# Altium PCB MdBBCar_Foc_v1.0.PcbDoc (part 2 of 2) (continued)
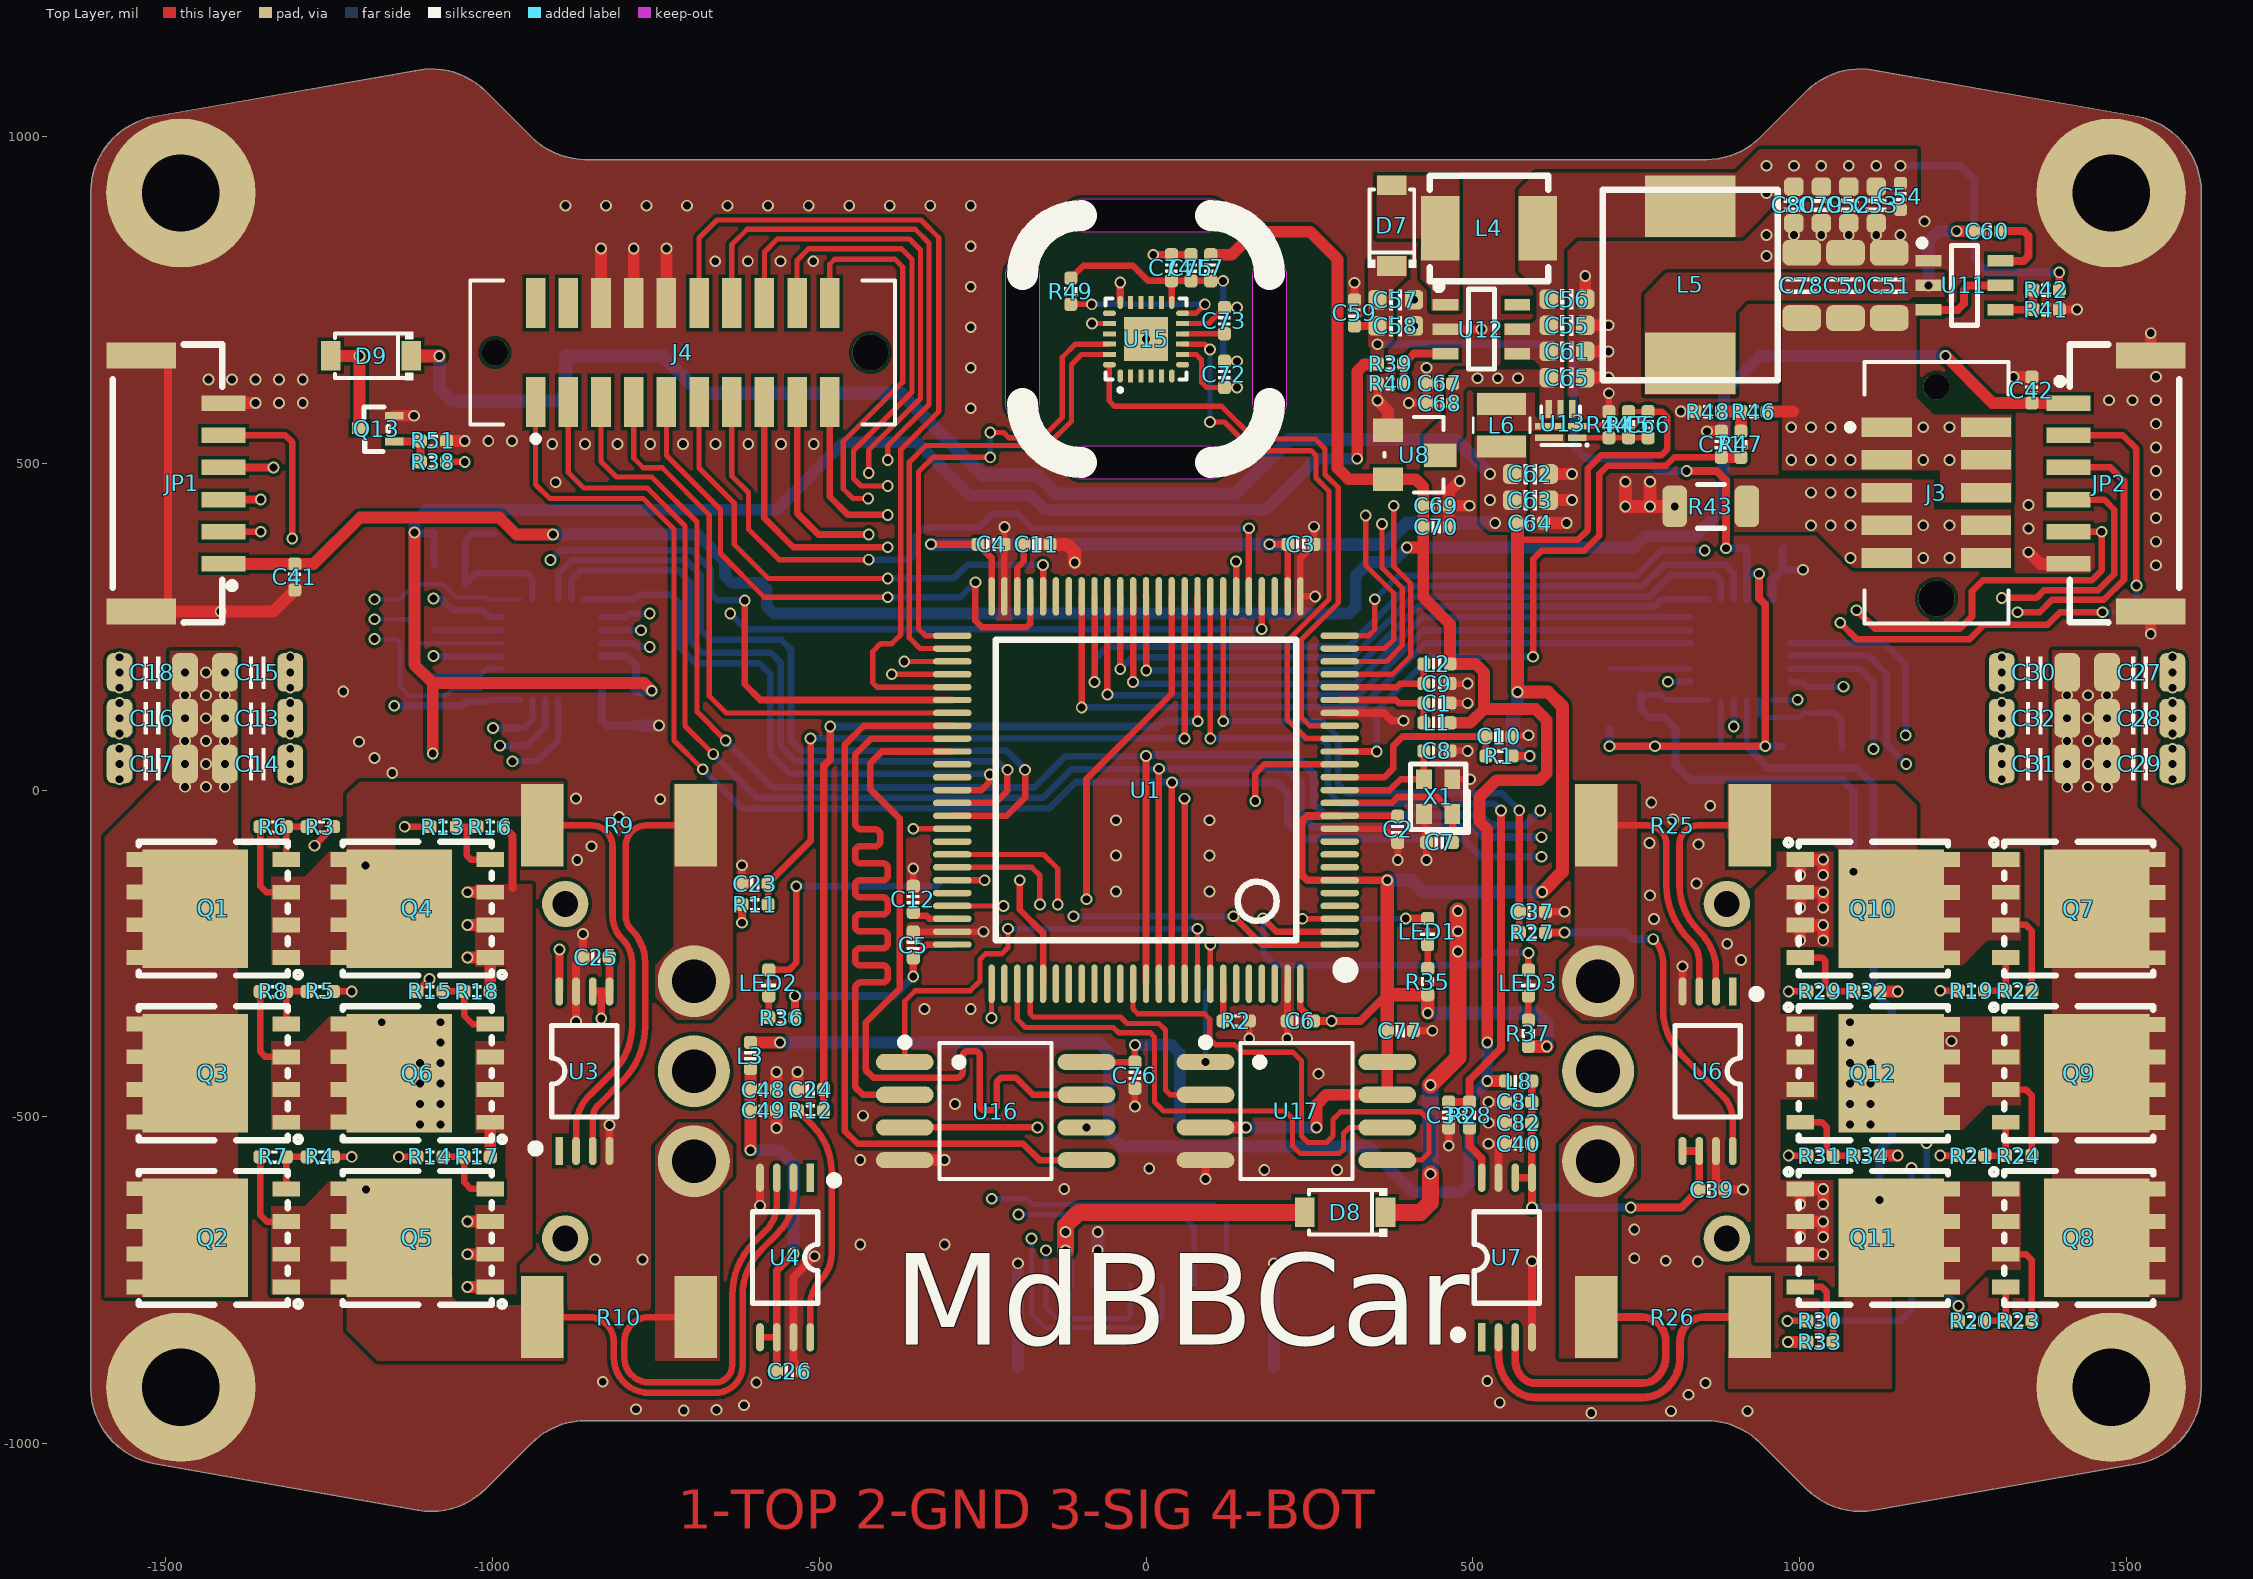
[diagram p0: Top Layer view]
## Nets (pads, with @x,y where several pads share a name; then routed paths per layer and width w, separated by ;. In a path a pad name is that pad's centre, name@x,y a point inside that pad or via, vN(x,y) a via of type N, cw(c..) or ccw(c..) an arc to the next point about the centre after c; other vN are vias at no path point) (continued)
  Bottom Layer w18: v1(-605,-551) -560,-551 -539.04,-571.96 v1(-539.04,-708.96)
OPR_VCC: C39.2 C40.2 C81.2 C82.2 L8.2 U6.5 U6.6 U7.5 U7.6 | length 570.6
  Top Layer w12: U7.6@564.8,-592.95 U7.5@590,-592.95 ; L8.2@590,-445 C81.2@590,-477 C82.2@590,-509 C40.2@590,-541 U7.5@590,-592.95 ; v1(590.39,-638.39) U7.5@590.39,-592.95 U7.5@590,-592.95 ; v1(741.39,-638.39) 818.61,-638.39 C39.2@846,-611 846.2,-610.8 U6.6@846.2,-552.05 U6.5@820.61,-552.05
  Bottom Layer w12: v1(590.39,-638.39) v1(741.39,-638.39)
PA11: LED2.1 U1.70 | length 505.1
  Top Layer w10: LED2.1@-577,-275 -546,-275 -535,-264 v1(-535,-147) ; U1.70@-296.26,-137.79 v1(-246.79,-137.79)
  Bottom Layer w10: v1(-535,-147) -320,-147 -310.79,-137.79 v1(-246.79,-137.79)
PB7: U1.93 U17.1 | length 242.5
  Top Layer w8: U1.93@98.43,-296.25 v1(98.43,-236.43)
  Bottom Layer w8: v1(91.02,-416) 91.02,-309.98 98.43,-302.57 v1(98.43,-236.43)
PD5: U1.86
PE3: LED3.1 U1.2 | length 626.2
  Top Layer w10: v1(179,-196) 199.53,-216.53 U1.2@296.26,-216.53 ; LED3.1@584.89,-275 v1(584.89,-249.11)
  Bottom Layer w10: v1(179,-196) 179,-249 198,-268 508,-268 526.89,-249.11 v1(584.89,-249.11)
PE4: LED1.1 U1.3 | length 249
  Top Layer w8: v1(239.16,-196.84) U1.3@296.26,-196.84
  Top Layer w12: v1(397.39,-196.39) LED1.1@430.89,-196.39
  Bottom Layer w8: v1(239.16,-196.84) 239.38,-196.62 397.16,-196.62 v1(397.39,-196.39)
PGND: C13.1 C14.1 C15.1 C16.1 C17.1 C18.1 C27.1 C28.1 C29.1 C30.1 C31.1 C32.1 J3.3 J3.4 J3.5 J3.6 J3.7 Q4.1 Q4.2 Q4.3 Q5.1 Q5.2 Q5.3 Q6.1 Q6.2 Q6.3 Q10.1 Q10.2 Q10.3 Q11.1 Q11.2 Q11.3 Q12.1 Q12.2 Q12.3 R16.1 R17.1 R18.1 R32.1 R33.1 R34.1 R43.2 R50.2 | length 942.3
  Top Layer w12: R16.1@-983,-56 -969,-70 -969,-150
  Top Layer w18: v1(-1037.8,-760) Q5.1@-1003,-760 ; v1(-1037.8,-710) Q5.2@-1003,-710 ; v1(-1037.8,-660) Q5.3@-1003,-660 ; v1(-1037.8,-256.2) Q4.1@-1003,-256.2 R18.1@-1003,-308 ; v1(-1037.8,-206.2) Q4.2@-1003,-206.2 ; v1(-1037.8,-156.2) Q4.3@-1003,-156.2 ; R17.1@-1003,-561 Q6.1@-1003,-508.1 ; v1(982,-844) R33.1@1011,-844 ; Q11.3@1000.8,-710 v1(1035.8,-710) ; v1(1000.8,-683.6) Q11.2@1000.8,-660 v1(1035.8,-660) v1(1035.8,-683.6) ; v1(1000.8,-633.6) Q11.1@1000.8,-610 v1(1035.8,-610) v1(1035.8,-633.6) ; v1(1000.8,-229.8) Q10.3@1000.8,-206.2 v1(1035.8,-206.2) v1(1035.8,-229.8) ; v1(1000.8,-179.8) Q10.2@1000.8,-156.2 v1(1035.8,-156.2) v1(1035.8,-179.8) ; v1(1000.8,-129.8) Q10.1@1000.8,-106.2 v1(1035.8,-106.2) v1(1035.8,-129.8) ; R34.1@1123,-559 v1(1150,-559) ; R32.1@1123,-308 v1(1150,-308)
  other v1: -1570,16.66 -1309,16.67 1309,16.66 1570,16.67 -1570,40 -1309,40 1308.99,40 1570,40 -1570,63.33 -1309,63.33 1309,63.33 1570,63.34 -1570,86.66 -1309,86.67 1309,86.66 1570,86.67 -1570,110 -1309,110 1308.99,110 1570.01,110 -1570,133.33 -1309,133.33 1309,133.33 1570,133.34 -1570,156.66 -1309,156.67 1309,156.66 1570,156.67 -1570,180 -1309,180 1309,180 1570.01,180 -1570,203.33 -1309,203.34 1309,203.33 1570,203.34 1077.43,355 1189,355 1229,355 1017.14,405 1047.28,405 1077.43,405 1189,405 1229,405 1017.14,455 1047.28,455 1077.43,455
PVCC: C13.2 C14.2 C15.2 C16.2 C17.2 C18.2 C27.2 C28.2 C29.2 C30.2 C31.2 C32.2 C50.2 C51.2 C78.2 J3.1 J3.2 J3.8 J3.9 J3.10 Q1.5 Q1.6 Q1.7 Q1.8 Q1.9 Q2.5 Q2.6 Q2.7 Q2.8 Q2.9 Q3.5 Q3.6 Q3.7 Q3.8 Q3.9 Q7.5 Q7.6 Q7.7 Q7.8 Q7.9 Q8.5 Q8.6 Q8.7 Q8.8 Q8.9 Q9.5 Q9.6 Q9.7 Q9.8 Q9.9 R46.2 U11.3 U11.5 | length 177.8
  Top Layer w12: U11.3@1197,734.6 1241.6,734.6 1251,744 1251,764.97 1258.03,772 U11.5@1307,772
  Top Layer w18: R46.2@950,579 990,579
  other v1: -1470,5 -1438,5 -1409,5 1409,5 1441,5 1470,5 -1470,40 -1438,40 -1409,40 1409,40 1441,40 1470,40 -1470,75 -1438,75 -1409,75 1409,75 1441,75 1470,75 -1470,110 -1438,110 -1409,110 1409,110 1441,110 1470,110 -1470,145 -1438,145 -1409,145 1409,145 1441,145 1470,145 -1470,180 -1438,180 -1409,180 987,505 1017.14,505 1047.28,505 1077.43,505 1189,505 1229,505 987,555 1017.14,555 1047.28,555 1077.43,555 1189,555 1229,555
QSPI_BK1_CLK: U1.36 U16.6 | length 866.3
  Top Layer w10: v1(-91,-167) -91,17 39.37,147.37 U1.36@39.37,296.27
  SIG w10: v1(-91.02,-516) v1@-91.02,-167.02
QSPI_BK1_IO0: U1.58 U16.5 | length 1155.5
  Top Layer w10: U1.58@-296.26,98.43 -431.57,98.43 -461,69 -461,-521 -441,-541 -188,-541 -163,-566 U16.5@-91.02,-566
QSPI_BK1_IO1: U1.59 U16.2 | length 1155.5
  Top Layer w10: U16.2@-368.98,-466 -433,-466 -445,-454 -445,-335 -445,-304 cw(c-435,-304) -435,-294 -402.8,-294 ccw(c-402.8,-286.2) -395,-286.2 -395,-275.8 ccw(c-402.8,-275.8) -402.8,-268 -437.2,-268 cw(c-437.2,-260.2) -445,-260.2 -445,-249.8 cw(c-437.2,-249.8) -437.2,-242 -402.8,-242 ccw(c-402.8,-234.2) -395,-234.2 -395,-223.8 ccw(c-402.8,-223.8) -402.8,-216 -437.2,-216 cw(c-437.2,-208.2) -445,-208.2 -445,-197.8 cw(c-437.2,-197.8) -437.2,-190 -402.8,-190 ccw(c-402.8,-182.2) -395,-182.2 -395,-171.8 ccw(c-402.8,-171.8) -402.8,-164 -437.2,-164 cw(c-437.2,-156.2) -445,-156.2 -445,-145.8 cw(c-437.2,-145.8) -437.2,-138 -402.8,-138 ccw(c-402.8,-130.2) -395,-130.2 -395,-119.8 ccw(c-402.8,-119.8) -402.8,-112 -437.2,-112 cw(c-437.2,-104.2) -445,-104.2 -445,-93.8 cw(c-437.2,-93.8) -437.2,-86 -414.6,-86 ccw(c-414.6,-78.2) -406.8,-78.2 -406.8,-67.8 ccw(c-414.6,-67.8) -414.6,-60 -435,-60 cw(c-435,-50) -445,-50 -445,-29 -445,54 -420.25,78.75 U1.59@-296.26,78.75
QSPI_BK1_IO2: U1.1 U16.3 | length 1110.1
  Top Layer w10: U16.3@-368.98,-516 v1(-166,-516) ; v1(134,-193) 177.21,-236.21 U1.1@296.26,-236.21
  SIG w10: v1(-166,-516) -142,-492 -142,-478.78 -142,-473.78 ccw(c-152,-473.78) -152,-463.78 -157.44,-463.78 cw(c-157.44,-455.98) -165.24,-455.98 -165.24,-445.58 cw(c-157.44,-445.58) -157.44,-437.78 -113.82,-437.78 ccw(c-113.82,-429.98) -106.02,-429.98 -106.02,-419.58 ccw(c-113.82,-419.58) -113.82,-411.78 -157.44,-411.78 cw(c-157.44,-403.98) -165.24,-403.98 -165.24,-393.58 cw(c-157.44,-393.58) -157.44,-385.78 -152,-385.78 ccw(c-152,-375.78) -142,-375.78 -142,-348 -111,-317 v1(-111,-193)
  Bottom Layer w10: v1(-111,-193) v1(134,-193)
QSPI_BK1_IO3: U1.60 U16.7 | length 1155.5
  Top Layer w10: U1.60@-296.26,59.06 -403.94,59.06 -422,41 -422,1.6 -377,-43.4 -377,-304 -429,-356 -429,-428 -417,-440 -308,-440 -290.27,-440 ccw(c-290.27,-430) -280.27,-430 -280.27,-407.1 cw(c-272.47,-407.1) -272.47,-399.3 -262.07,-399.3 cw(c-262.07,-407.1) -254.27,-407.1 -254.27,-482.2 ccw(c-246.47,-482.2) -246.47,-490 -236.07,-490 ccw(c-236.07,-482.2) -228.27,-482.2 -228.27,-450 cw(c-218.27,-450) -218.27,-440 -213.27,-440 -199,-440 -173,-466 U16.7@-91.02,-466
QSPI_BK1_NCS: U1.92 U16.1 | length 707.8
  Top Layer w8: U16.1@-368.98,-416 -368.98,-322.98 -353,-307 -269,-307 -254,-292 -254,-259 -245.26,-250.26 -220.26,-250.26 -211,-241 v1(-211,-212) ; U1.92@78.74,-296.25 v1(78.74,-212)
  Bottom Layer w8: v1(-211,-212) v1(78.74,-212) v1@78.37,-211.63
SF_CLK: U1.78 U17.6 | length 818.1
  Top Layer w8: U1.78@-196.85,-296.25 -196.85,-350.25 -184.1,-363 -50,-363 -42,-371 6,-371 13,-378 13,-477 27,-491 212.35,-491 224,-502.65 224,-544 236,-556 295.71,-556 302,-549.71 302,-525.3 311.3,-516 U17.6@368.98,-516
SF_MISO: U1.79 U17.2 | length 419.2
  Top Layer w8: U1.79@-177.17,-296.25 -177.17,-342.31 -172.48,-347 -39,-347 -29,-357 19.6,-357 29.73,-367.13 29.73,-458.84 36.89,-466 U17.2@91.02,-466
SF_MOSI: U1.87 U17.5 | length 818.8
  Top Layer w8: U1.87@-19.69,-296.25 -19.69,-335.03 -12.72,-342 89,-342 97.5,-350.5 97.5,-380.5 106.5,-389.5 135.5,-389.5 147,-401 225,-401 238,-414 238,-529.01 247.99,-539 275.92,-539 286,-528.92 286,-504 298,-492 419.97,-492 433,-505.03 433,-554.76 421.76,-566 U17.5@368.98,-566
SPI6_CLK: J4.8 U1.80 | length 1342.1
  Top Layer w10: J4.8@-583.66,593.5 -583.66,415.66 -539.5,371.5 v1(-395,371.5) ; v1(-193,-138) -193,-183 -157.48,-218.52 U1.80@-157.48,-296.25
  SIG w10: v1(-395,371.5) -360.5,371.5 -353,379 -353,394.41 -347.14,400.27 -305.77,400.27 -299,393.5 -299,86 -273,60 -173,60 -156,43 -156,-9 -193,-46 v1(-193,-138)
SPI6_MISO: J4.7 U1.30 | length 1148.8
  Top Layer w8: J4.7@-633.66,593.5 -633.66,480.66 -608,455 -608,399 -561.5,352.5 v1(-424,352.5)
  Top Layer w10: U1.30@157.48,296.27 v1(157.48,400.52)
  Bottom Layer w10: v1@-424.31,352.5 v1(-424,352.5) -361.5,352.5 -352,362 -352,389 -340,401 -256,401 -234,423 -197,423 -174.52,400.52 v1(157.48,400.52)
SPI6_MOSI: J4.9 U1.91 | length 1458.8
  Top Layer w10: J4.9@-533.66,593.5 -533.66,423.66 -501,391 v1(-424,391) ; U1.91@59.06,-296.25 v1(59.06,-13.06)
  SIG w10: v1(-424,391) -382,391 -357.73,415.27 -297.27,415.27 -282,400 -282,94 -263,75 -153,75 -140,62 -140,6 -120.94,-13.06 v1(59.06,-13.06)
U1_RX: JP4.4 U1.69 | length 1101.5
  Top Layer w8: U1.69@-296.26,-118.1 -174.9,-118.1 -162.35,-130.65 -162.35,-174.65 v1(-162,-175)
  SIG w8: v1(-175,-686) -175,-633 -202,-606 -202,-322 -162,-282 v1(-162,-175)
  Bottom Layer w8: v1(-175,-686) -175,-801 -154,-822 9,-822 24.6,-806.4 JP4.4@24.6,-757.01
U1_TX: JP4.3 U1.68 | length 1060.9
  Top Layer w8: U1.68@-296.26,-98.42 -156.58,-98.42 -135,-120 v1(-135,-175)
  SIG w8: v1(-153,-704) -153,-616 -187,-582 -187,-327 -135,-275 v1(-135,-175)
  Bottom Layer w8: v1(-153,-704) -153,-791 -135.7,-808.3 -29.3,-808.3 -24.61,-803.62 JP4.3@-24.61,-757.01
U3_RX: J4.5 U1.47 | length 883.8
  Top Layer w8: J4.5@-733.66,593.5 -733.66,511.66 -651,429 -651,362 -584,295 v1(-395,295)
  Top Layer w10: v1(-261,318) -261,259 -251,249 -183.02,249 -177.17,254.86 U1.47@-177.17,296.27
  Bottom Layer w10: v1(-395,295) -284,295 v1(-261,318)
U3_TX: J4.6 U1.46 | length 790.7
  Top Layer w8: J4.6@-683.66,593.5 -683.66,492.66 -630,439 -630,376 -577.75,323.75 v1(-395,323.75)
  Top Layer w10: U1.46@-157.48,296.27 v1(-157.48,344.48)
  Bottom Layer w10: v1(-395,323.75) -294.25,323.75 -273.52,344.48 v1(-157.48,344.48)
pads on no net: J1.4 J1.5 J2.4 J2.5 J3.0 J4.0 J4.19 J4.20 U1.4 U1.5 U1.7 U1.8 U1.9 U1.28 U1.37 U1.44 U1.45 U1.61 U1.62 U1.67 U1.71 U1.77 U1.81 U1.82 U1.83 U1.84 U1.85 U1.95 U1.96 U1.97 U1.98 U2.5 U2.7 U2.8 U2.21 U2.25 U3.1 U4.1 U5.5 U5.7 U5.8 U5.21 U5.25 U6.1 U7.1 U12.6 U13.3 U15.1 U15.2 U15.3 U15.4 U15.5 U15.6 U15.7 U15.14 U15.15 U15.16 U15.17 U15.19 U15.21

## Polygon pours and split planes (outlines as drawn)
GND on Bottom Layer "GND_L04_P079" (solid, remove dead copper, pour order 79): -1113.6,-1101.42 ccw(c-1093.09,-985.11) -1009.57,-1068.62 -940.1,-999.16 cw(c-856.59,-1082.67) -856.59,-964.57 856.59,-964.57 cw(c856.59,-1082.67) 940.1,-999.16 1009.57,-1068.62 ccw(c1093.09,-985.11) 1113.6,-1101.42 1516.57,-1030.37 ccw(c1496.06,-914.05) 1614.17,-914.05 1614.17,914.05 ccw(c1496.06,914.05) 1516.57,1030.37 1113.6,1101.42 ccw(c1093.09,985.11) 1009.57,1068.62 940.1,999.16 cw(c856.59,1082.67) 856.59,964.57 -856.59,964.57 cw(c-856.59,1082.67) -940.1,999.16 -1009.57,1068.62 ccw(c-1093.09,985.11) -1113.6,1101.42 -1516.57,1030.37 ccw(c-1496.06,914.05) -1614.17,914.05 -1614.17,-914.05 ccw(c-1496.06,-914.05) -1516.57,-1030.37
2SH_W on Bottom Layer "2SH_W_L04_P055" (solid, remove dead copper, pour order 55): 1122,-524 1122,-343 868,-343 840,-371 668,-371 632,-407 632,-454 667,-489 841,-489 876,-524
1SH_W on Bottom Layer "1SH_W_L04_P071" (solid, remove dead copper, pour order 71): -1122,-524 -1122,-343 -868,-343 -840,-371 -668,-371 -632,-407 -632,-454 -667,-489 -841,-489 -876,-524
PGND on Bottom Layer "PGND_L04_P062" (solid, remove dead copper, pour order 62): 1333,10 1333,419 1323,429 1217,429 1170,476 1004,476 1004,395 1027,395 1082,340 1236,340 1285,291 1285,18 1293,10
GND on Top Layer "GND_L01_P077" (solid, remove dead copper, pour order 77): -1113.6,-1101.42 ccw(c-1093.09,-985.11) -1009.57,-1068.62 -940.1,-999.16 cw(c-856.59,-1082.67) -856.59,-964.57 856.59,-964.57 cw(c856.59,-1082.67) 940.1,-999.16 1009.57,-1068.62 ccw(c1093.09,-985.11) 1113.6,-1101.42 1516.57,-1030.37 ccw(c1496.06,-914.05) 1614.17,-914.05 1614.17,914.05 ccw(c1496.06,914.05) 1516.57,1030.37 1113.6,1101.42 ccw(c1093.09,985.11) 1009.57,1068.62 940.1,999.16 cw(c856.59,1082.67) 856.59,964.57 -856.59,964.57 cw(c-856.59,1082.67) -940.1,999.16 -1009.57,1068.62 ccw(c-1093.09,985.11) -1113.6,1101.42 -1516.57,1030.37 ccw(c-1496.06,914.05) -1614.17,914.05 -1614.17,-914.05 ccw(c-1496.06,-914.05) -1516.57,-1030.37
PGND on Top Layer "PGND_L01_P060" (solid, remove dead copper, pour order 60): 1323,340 1323,429 1205,429 1205,475 1171,475 1170,476 900,476 900,395 1027,395 1082,340 1174,340
2A_ISENS_N on Top Layer "2A_ISENS_N_L01_P052" (solid, remove dead copper, pour order 52): 751,9 751,-267 751,-317 716,-352 667,-352 632,-317 632,-262 656,-238 656,9
PVCC on Top Layer "PVCC_L01_P076" (solid, remove dead copper, pour order 76): 1516.57,214 1516.57,-26.57 1580,-90 1580,-776 1386,-776 1386,214
PVCC on Top Layer "PVCC_L01_P075" (solid, remove dead copper, pour order 75): -1493,213 -1493,29 -1593,-71 -1593,-776 -1389,-776 -1389,213
1B_ISENS_P on Top Layer "1B_ISENS_P_L01_P074" (solid, remove dead copper, pour order 74): -1061.26,-744 -1061.26,-775.74 -1049,-788 -891,-788 -891,-873 -1176,-873 -1222.63,-826.37 -1222.63,-744
PGND on Top Layer "PGND_L01_P073" (solid, remove dead copper, pour order 73): -1026,-144 -939,-144 -939,-700 -963,-724 -963,-771 -1026,-771 -1026,-635 -979,-635 -979,-524 -1026,-524 -1026,-384 -979,-384 -979,-270 -1026,-270
1A_ISENS_P on Top Layer "1A_ISENS_P_L01_P072" (solid, remove dead copper, pour order 72): -1222.66,-96.19 -1222.66,-6.66 -1203,13 -890.58,13 -890.58,-40 -1138,-40 -1148,-50 -1148,-96.19
1B_ISENS_N on Top Layer "1B_ISENS_N_L01_P070" (solid, remove dead copper, pour order 70): -652,-873 -652,-611 -632,-591 -632,-543 -666,-509 -716,-509 -751,-544 -751,-593 -751,-873
1A_ISENS_N on Top Layer "1A_ISENS_N_L01_P069" (solid, remove dead copper, pour order 69): -632,10 -632,-268 -632,-317 -666,-351 -717,-351 -751,-317 -751,-268 -722,-239 -722,10
1B_ISENS_P on Top Layer "1B_ISENS_P_L01_P065" (solid, remove dead copper, pour order 65): -1338,-636.2 -1338,-771.2 -1219,-771.2 -1219,-598.39 -1249.19,-598.39 -1287,-636.2
1SH_W on Top Layer "1SH_W_L01_P064" (solid, remove dead copper, pour order 64): -1338,-384.3 -1338,-519.3 -1219,-519.3 -1219,-346.49 -1249.19,-346.49 -1287,-384.3
1A_ISENS_P on Top Layer "1A_ISENS_P_L01_P063" (solid, remove dead copper, pour order 63): -1338,-132.4 -1338,-267.4 -1219,-267.4 -1219,-94.59 -1249.19,-94.59 -1287,-132.4
PVCC on Top Layer "PVCC_L01_P058" (solid, remove dead copper, pour order 58): 1324,440 1324,574 1205,574 1178,601 1178,744 973,744 973,489 1215,489 1215,440
2B_ISENS_N on Top Layer "2B_ISENS_N_L01_P053" (solid, pour order 53): 721.4,-869 721.4,-622.6 751,-593 751,-543 716,-508 667,-508 632,-543 632,-598 632,-869
2B_ISENS_P on Top Layer "2B_ISENS_P_L01_P057" (solid, remove dead copper, pour order 57): 1141,-767 1141,-915.85 890.85,-915.85 890.85,-860.09 958.09,-860.09 1067,-860.09 1067,-767
PGND on Top Layer "PGND_L01_P056" (solid, remove dead copper, pour order 56): 1051.5,-240 1051.5,-94 964.5,-94 964.5,-120 931,-153.5 931,-722 1051.5,-722 1051.5,-597 970.5,-597 970.5,-473 1026.5,-473 1026.5,-343 970.5,-343 970.5,-240 1009.5,-240
2A_ISENS_P on Top Layer "2A_ISENS_P_L01_P051" (solid, remove dead copper, pour order 51): 890,9 1147,9 1179,-23 1179,-91 1059,-91 1042,-74 890,-74
2B_ISENS_P on Top Layer "2B_ISENS_P_L01_P050" (solid, remove dead copper, pour order 50): 1338,-733.8 1338,-598.8 1219,-598.8 1219,-771.61 1249.19,-771.61 1287,-733.8
2SH_W on Top Layer "2SH_W_L01_P049" (solid, remove dead copper, pour order 49): 1338,-481.9 1338,-346.9 1219,-346.9 1219,-519.71 1249.19,-519.71 1287,-481.9
2A_ISENS_P on Top Layer "2A_ISENS_P_L01_P048" (solid, remove dead copper, pour order 48): 1338,-230 1338,-95 1219,-95 1219,-267.81 1249.19,-267.81 1287,-230
5V on Top Layer "5V_L01_P041" (solid, remove dead copper, pour order 41): 604,643 473,643 459,629 459,576 425,542 425,494 475,494 475,532 485,542 485,610 492,617 604,617
GND on Top Layer "GND_L01_P036" (solid, remove dead copper, pour order 36): 638.09,543.91 638.09,403.09 630,395 600,395 594,401 594,543.91
DVCC_3V3 on Top Layer "DVCC_3V3_L01_P035" (solid, remove dead copper, pour order 35): 582,542 582,402 575,395 525,395 511,409 511,501 503,509 503,542
NetD7_2 on Top Layer "NETD7_2_L01_P034" (solid, remove dead copper, pour order 34): 479,733 479,829 420,829 420,782 436,766 436,733
12V on Top Layer "12V_L01_P033" (solid, remove dead copper, pour order 33): 399,817 399,786 378,765 378,689 364,675 364,643 363,642 347,642 344,645 344,675 340,679 340,809 348,817
NetD7_2 on Top Layer "NETD7_2_L01_P032" (solid, remove dead copper, pour order 32): 353,940 353,844 479,844 479,940
NetL6_1 on Top Layer "NETL6_1_L01_P026" (solid, remove dead copper, pour order 26): 638.84,561.77 606.01,561.77 595,572.78 595,608 506,608 506,550 638.84,550
5V on Top Layer "5V_L01_P027" (solid, remove dead copper, pour order 27): 774,944 596,944 570,918 570,794 598,766 598,721 591,714 548,714 548,658 593,658 602,649 602,575.2 609.77,567.44 638.84,567.44 638.84,826.84 658,846 774,846
GND on Top Layer "GND_L01_P021" (solid, remove dead copper, pour order 21): 1217,800 936,800 936,852 982,898 1142,898 1217,898
NetC60_2 on Top Layer "NETC60_2_L01_P020" (solid, remove dead copper, pour order 20): 1221,791 796,791 763,758 763,605 902,605 902,732 919,749 1167,749 1173,755 1221,755
5V on Top Layer "5V_L01_P019" (solid, remove dead copper, pour order 19): 763,846 912,846 972,906 1180,906 1180,980 939,980 903,944 763,944
GND on SIG "GND_L03_P078" (solid, remove dead copper, pour order 78): -1113.6,-1101.42 ccw(c-1093.09,-985.11) -1009.57,-1068.62 -940.1,-999.16 cw(c-856.59,-1082.67) -856.59,-964.57 856.59,-964.57 cw(c856.59,-1082.67) 940.1,-999.16 1009.57,-1068.62 ccw(c1093.09,-985.11) 1113.6,-1101.42 1516.57,-1030.37 ccw(c1496.06,-914.05) 1614.17,-914.05 1614.17,914.05 ccw(c1496.06,914.05) 1516.57,1030.37 1113.6,1101.42 ccw(c1093.09,985.11) 1009.57,1068.62 940.1,999.16 cw(c856.59,1082.67) 856.59,964.57 -856.59,964.57 cw(c-856.59,1082.67) -940.1,999.16 -1009.57,1068.62 ccw(c-1093.09,985.11) -1113.6,1101.42 -1516.57,1030.37 ccw(c-1496.06,914.05) -1614.17,914.05 -1614.17,-914.05 ccw(c-1496.06,-914.05) -1516.57,-1030.37
PVCC on SIG "PVCC_L03_P018" (solid, remove dead copper, pour order 18): -1393,213 -1393,-329 -1393,-577 -1228,-742 1211,-742 1366,-587 1373,-580 1373,210 1509,210 1516.57,202.43 1516.57,-698.45 1326.02,-889 -1328,-889 -1528.95,-688.05 -1528.95,213
PVCC on SIG "PVCC_L03_P059" (solid, remove dead copper, pour order 59): 1517,173 1517,542 1485,574 973,574 973,489 1329,489 1373,445 1373,173
GND on GND (split plane): 1104.31,1082.65 1110.11,1081.63 1513.08,1010.58 1521.52,1009.09 1537.64,1003.22 1552.49,994.65 1565.63,983.62 1576.65,970.49 1585.23,955.63 1591.09,939.52 1594.07,922.63 1594.07,914.05 1594.07,228.05 1354.51,228.05 1300.05,282.51 1300.05,479 1299.85,480.57 1299.24,482.03 1298.28,483.28 1297.03,484.24 1295.57,484.85 1294,485.05 1031,485.05 1029.43,484.85 1027.97,484.24 1026.72,483.28 1025.76,482.03 1025.15,480.57 1024.95,479 1024.95,-30.49 967.72,-87.72 966.76,-88.97 966.15,-90.43 965.95,-92 965.95,-696.49 925.49,-736.95 -916.49,-736.95 -966.95,-686.49 -966.95,-64 -967.15,-62.43 -967.76,-60.97 -968.72,-59.72 -969.97,-58.76 -971.43,-58.15 -973,-57.95 -1255.95,-57.95 -1255.95,220 -1256.15,221.57 -1256.76,223.03 -1257.72,224.28 -1258.97,225.24 -1260.43,225.85 -1262,226.05 -1594.07,226.05 -1594.07,914.05 -1594.07,922.63 -1591.1,939.52 -1585.23,955.63 -1576.65,970.49 -1565.63,983.62 -1552.49,994.65 -1537.64,1003.22 -1521.52,1009.09 -1513.08,1010.58 -1110.11,1081.63 -1104.31,1082.65 -1092.55,1083.3 -1080.8,1082.53 -1069.23,1080.36 -1058,1076.81 -1047.27,1071.96 -1037.21,1065.85 -1027.94,1058.58 -1023.78,1054.41 -954.31,984.95 -954.12,984.79 -953.96,984.6 -949.76,980.61 -949.18,980.15 -948.65,979.63 -939.69,972.27 -938.87,971.72 -938.11,971.1 -928.47,964.66 -927.6,964.19 -926.78,963.64 -916.56,958.18 -915.65,957.8 -914.78,957.34 -904.07,952.9 -903.12,952.62 -902.21,952.24 -891.12,948.87 -890.15,948.68 -889.21,948.39 -877.84,946.13 -876.86,946.04 -875.89,945.84 -864.35,944.71 -863.61,944.71 -862.88,944.62 -857.08,944.47 -856.83,944.49 -856.59,944.47 856.59,944.47 856.83,944.49 857.08,944.47 862.88,944.62 863.61,944.71 864.35,944.71 875.89,945.84 876.85,946.04 877.84,946.13 889.21,948.39 890.15,948.68 891.12,948.87 902.21,952.24 903.12,952.62 904.07,952.9 914.78,957.34 915.65,957.8 916.56,958.18 926.78,963.64 927.6,964.19 928.47,964.66 938.11,971.1 938.87,971.72 939.69,972.27 948.65,979.63 949.18,980.15 949.76,980.61 953.96,984.6 954.12,984.79 954.31,984.95 1023.78,1054.41 1027.94,1058.58 1037.21,1065.85 1047.27,1071.96 1058,1076.81 1069.23,1080.36 1080.8,1082.53 1092.55,1083.3
PGND on GND (split plane): 1287.95,280 1288.15,278.43 1288.76,276.97 1289.72,275.72 1347.72,217.72 1348.97,216.76 1350.43,216.15 1352,215.95 1594.07,215.95 1594.07,-914.05 1594.07,-922.63 1591.09,-939.52 1585.23,-955.63 1576.65,-970.49 1565.63,-983.62 1552.49,-994.65 1537.64,-1003.22 1521.52,-1009.09 1513.08,-1010.58 1110.11,-1081.63 1104.31,-1082.65 1092.55,-1083.3 1080.8,-1082.53 1069.23,-1080.36 1058,-1076.81 1047.27,-1071.96 1037.21,-1065.85 1027.94,-1058.58 1023.78,-1054.41 954.31,-984.95 954.12,-984.79 953.96,-984.6 949.76,-980.61 949.18,-980.15 948.65,-979.63 939.69,-972.27 938.87,-971.72 938.11,-971.1 928.47,-964.66 927.6,-964.19 926.78,-963.64 916.56,-958.18 915.65,-957.8 914.78,-957.34 904.07,-952.9 903.12,-952.62 902.21,-952.24 891.12,-948.87 890.15,-948.68 889.21,-948.39 877.84,-946.13 876.85,-946.04 875.89,-945.84 864.35,-944.71 863.61,-944.71 862.88,-944.62 857.08,-944.47 856.83,-944.49 856.59,-944.47 -856.59,-944.47 -856.83,-944.49 -857.08,-944.47 -862.88,-944.62 -863.61,-944.71 -864.35,-944.71 -875.89,-945.84 -876.86,-946.04 -877.84,-946.13 -889.21,-948.39 -890.15,-948.68 -891.12,-948.87 -902.21,-952.24 -903.12,-952.62 -904.07,-952.9 -914.78,-957.34 -915.65,-957.8 -916.56,-958.18 -926.78,-963.65 -927.6,-964.19 -928.47,-964.66 -938.11,-971.1 -938.87,-971.72 -939.69,-972.27 -948.65,-979.63 -949.18,-980.15 -949.76,-980.61 -953.96,-984.6 -954.12,-984.79 -954.31,-984.95 -1023.78,-1054.41 -1027.94,-1058.58 -1037.21,-1065.85 -1047.27,-1071.96 -1058,-1076.81 -1069.23,-1080.36 -1080.8,-1082.53 -1092.55,-1083.3 -1104.31,-1082.65 -1110.11,-1081.63 -1513.08,-1010.58 -1521.53,-1009.09 -1537.64,-1003.22 -1552.49,-994.65 -1565.63,-983.62 -1576.65,-970.49 -1585.23,-955.63 -1591.1,-939.52 -1594.07,-922.63 -1594.07,-914.05 -1594.07,213.95 -1268.05,213.95 -1268.05,-64 -1267.85,-65.57 -1267.24,-67.03 -1266.28,-68.28 -1265.03,-69.24 -1263.57,-69.85 -1262,-70.05 -979.05,-70.05 -979.05,-689 -978.85,-690.57 -978.24,-692.03 -977.28,-693.28 -923.28,-747.28 -922.03,-748.24 -920.57,-748.85 -919,-749.05 928,-749.05 929.57,-748.85 931.03,-748.24 932.28,-747.28 976.28,-703.28 977.24,-702.03 977.85,-700.57 978.05,-699 978.05,-94.51 1035.28,-37.28 1036.24,-36.03 1036.85,-34.57 1037.05,-33 1037.05,472.95 1287.95,472.95

## Other copper
Top Layer:
  pour cut-out: -118,879 118,879 189,808 189,568 123,502 -122,502 -190,570 -190,807
  text "1-TOP 2-GND 3-SIG 4-BOT" at -716,-1130 h60
GND (plane layer: these items are gaps in the copper):
  lines w12: -1614,-253 -1614,-76.75 -1614,220 -1262,220 -1262,-64 -973,-64 -973,-689 -919,-743 928,-743 972,-699 972,-92 1031,-33 1031,479 1294,479 1294,280 1352,222 1614,222 1614,7

## Silkscreen, mask and mechanical layers (free items; w line width, h text height)
Top Overlay:
  lines w47.24: -188.98,591.57 ccw(c-98.42,591.57) -98.42,501.02 ; -188.98,788.42 cw(c-98.42,788.42) -98.42,878.98 ; 98.43,501.02 ccw(c98.43,591.57) 188.98,591.57 ; 98.43,878.98 cw(c98.43,788.42) 188.98,788.42
  text "MdBBCar" at -386,-894.22 h240
Mechanical 1:
  lines w1: -214.57,591.57 ccw(c-188.98,591.57) -188.98,565.98 ccw(c-188.98,591.57) -163.39,591.57 -163.39,788.42 ccw(c-188.98,788.42) -188.98,814.02 ccw(c-188.98,788.42) -214.57,788.42 -214.57,591.57 ; -124.02,501.02 cw(c-98.42,501.02) -98.42,526.61 98.43,526.61 cw(c98.43,501.02) 124.02,501.02 cw(c98.43,501.02) 98.43,475.43 -98.42,475.43 cw(c-98.42,501.02) -124.02,501.02 ; -124.02,878.98 cw(c-98.42,878.98) -98.42,904.57 98.43,904.57 cw(c98.43,878.98) 124.02,878.98 cw(c98.43,878.98) 98.43,853.39 -98.42,853.39 cw(c-98.42,878.98) -124.02,878.98 ; 163.39,591.57 ccw(c188.98,591.57) 188.98,565.98 ccw(c188.98,591.57) 214.57,591.57 214.57,788.42 ccw(c188.98,788.42) 188.98,814.02 ccw(c188.98,788.42) 163.39,788.42 163.39,591.57
  lines w3.94: -1614.17,-914.05 ccw(c-1496.06,-914.05) -1516.57,-1030.37 -1113.6,-1101.42 ccw(c-1093.09,-985.11) -1009.57,-1068.62 -940.1,-999.16 cw(c-856.59,-1082.68) -856.59,-964.57 856.59,-964.57 cw(c856.59,-1082.68) 940.1,-999.16 1009.57,-1068.62 ccw(c1093.09,-985.11) 1113.6,-1101.42 1516.57,-1030.37 ccw(c1496.06,-914.05) 1614.17,-914.05 1614.17,914.05 ccw(c1496.06,914.05) 1516.57,1030.37 1113.6,1101.42 ccw(c1093.09,985.11) 1009.57,1068.62 940.1,999.16 cw(c856.59,1082.67) 856.59,964.56 -856.59,964.57 cw(c-856.59,1082.67) -940.1,999.16 -1009.57,1068.62 ccw(c-1093.09,985.11) -1113.6,1101.42 -1516.57,1030.37 ccw(c-1496.06,914.05) -1614.17,914.05 -1614.17,-914.05